# Altium PCB hand_main_board_v2.PcbDoc (part 2 of 4)
Units mil, origin at the board's own origin, x right, y up, seen from the top; angles counter-clockwise.
Board outline 2790.09 x 2362.2 mil, 6 copper layers (Top Layer, GND02, 03, 04, PWR05, Bottom Layer), stack 32.112 mil thick; 213 components, 153 nets, 785 pads, 872 vias.
Unrouted connection lines stored in the file: 240.
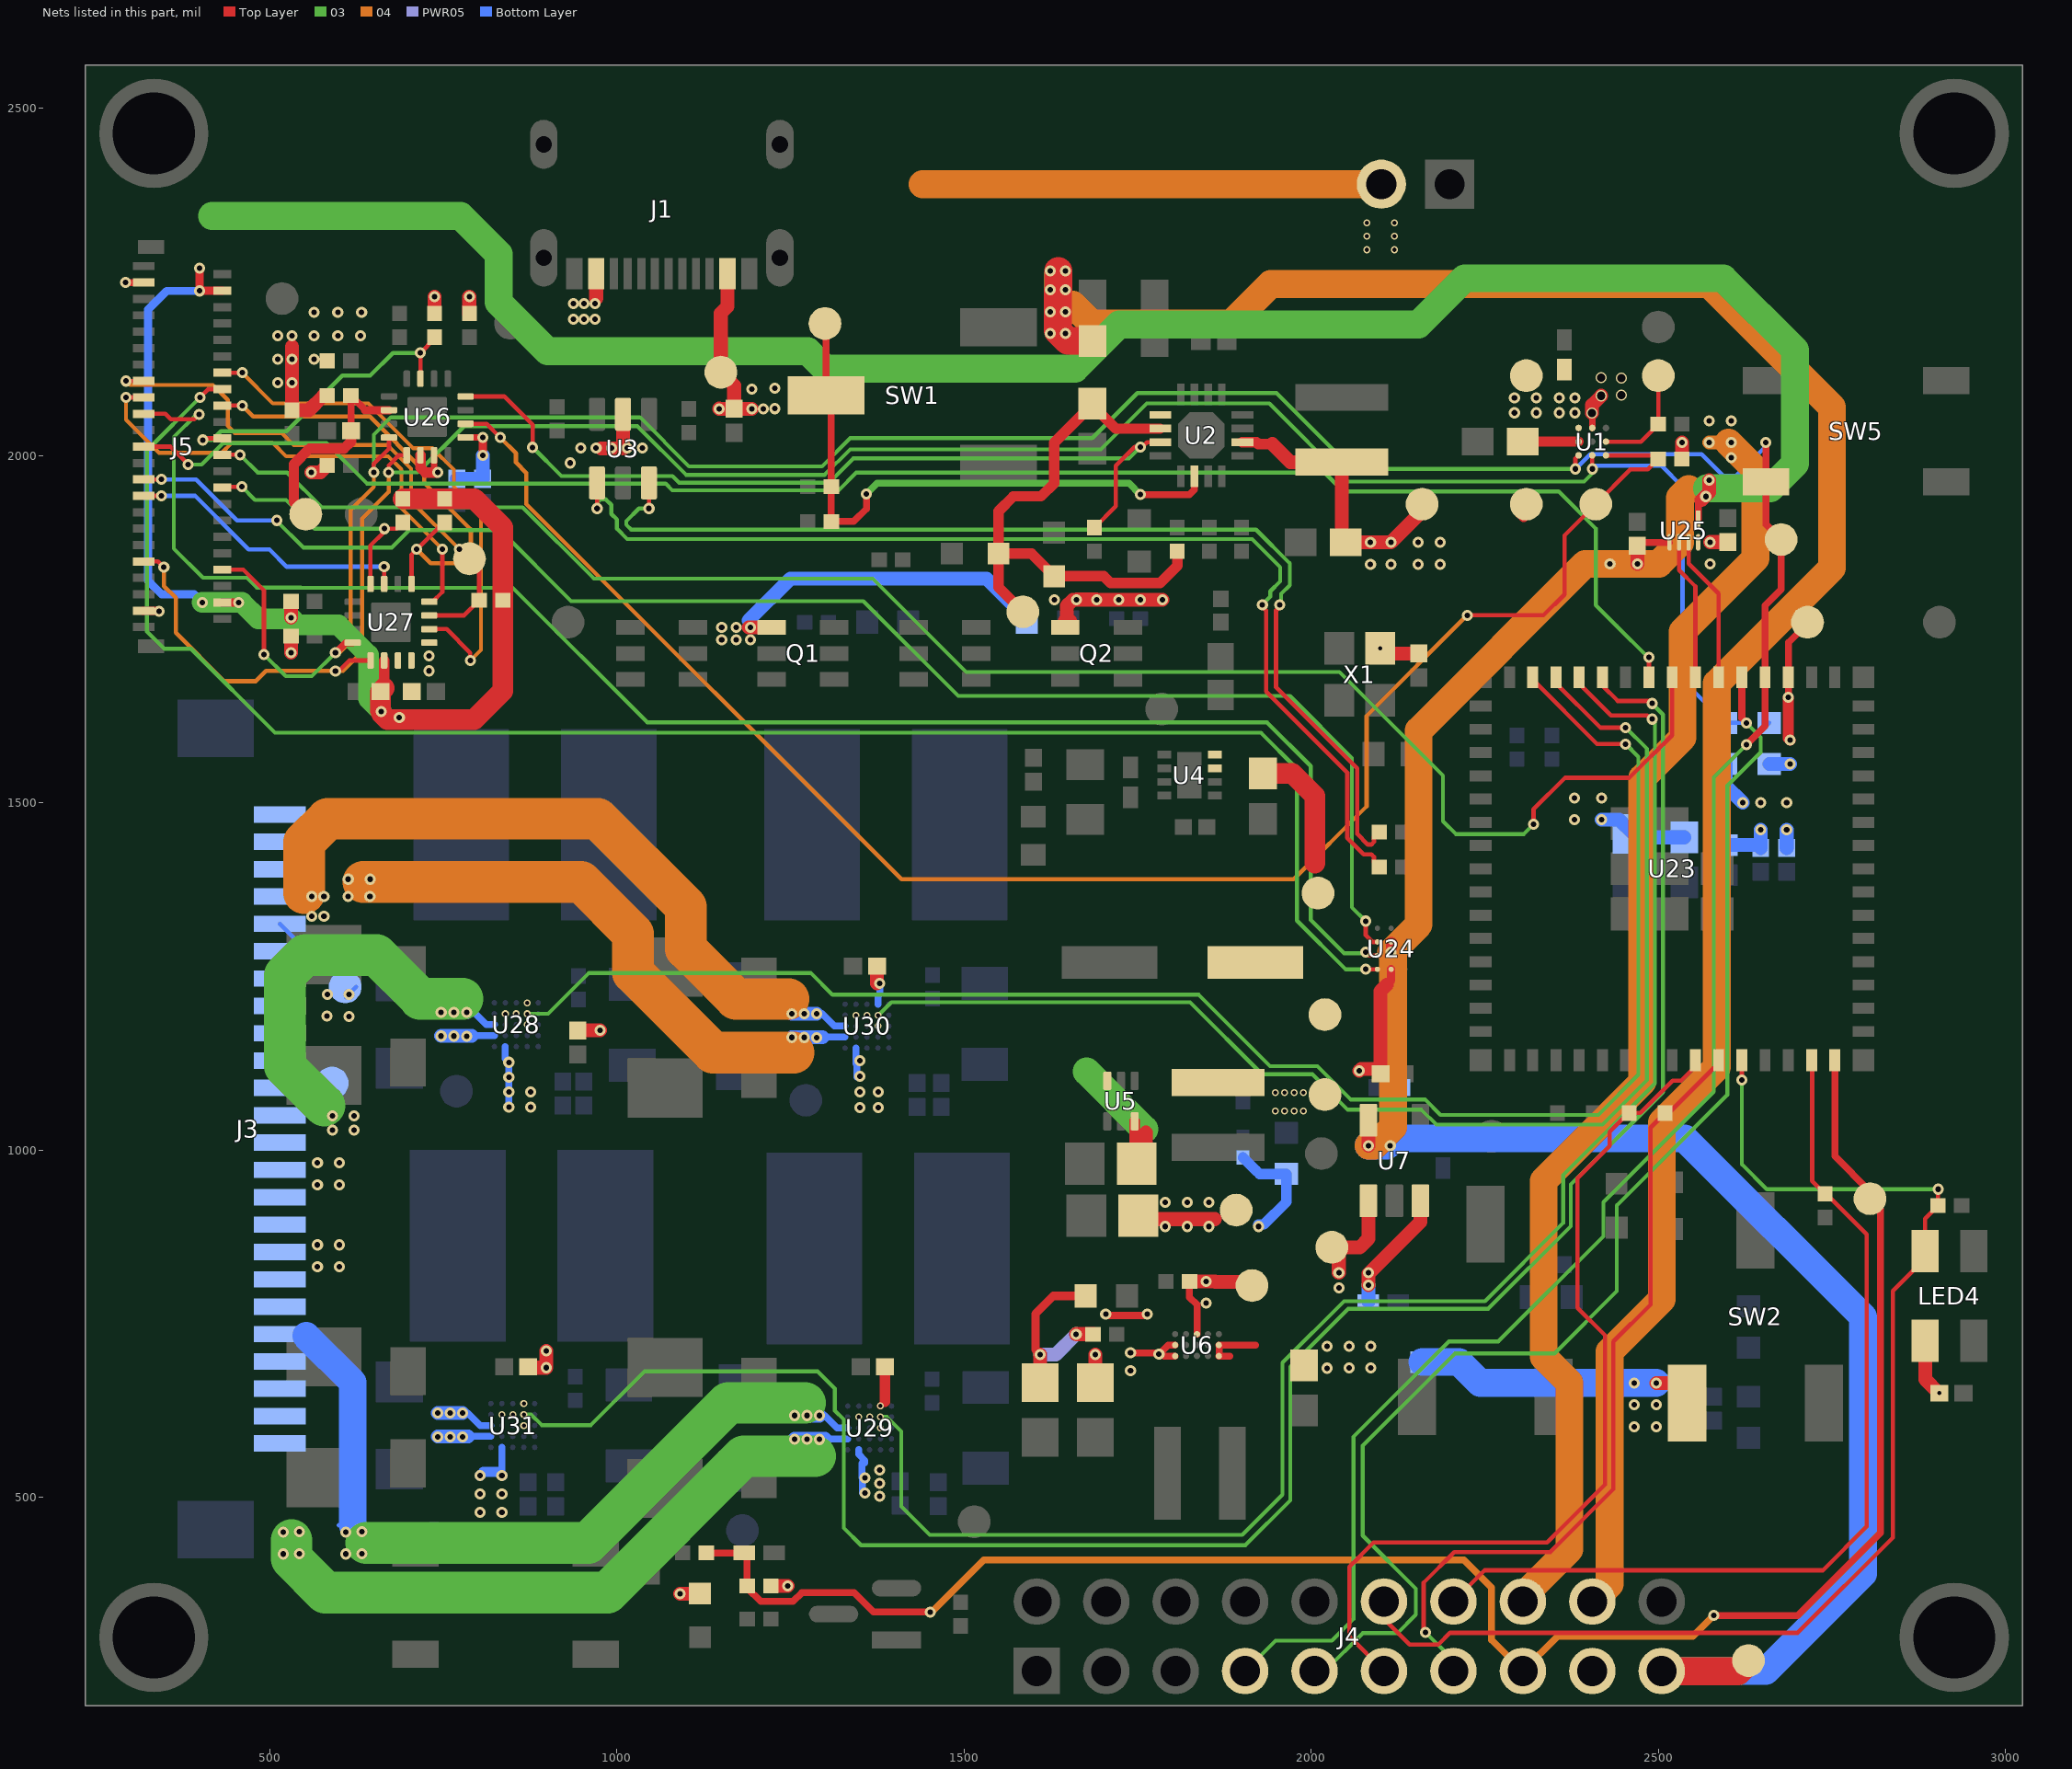
[diagram p6: the nets of this part, all layers, seen from the top]

## Part data (continued)
R10 R12 R27: library part 0402WGF1501TCE, "Resistor, Res Thick Film 0402 1.5K Ohm 1% 0.063W(1/16W) ±100ppm/°C Pad SMD T/R", JLCPCB Part Class=基础库, LCSC Part Name="1.5kΩ ±1% 62.5mW 厚膜电阻", Manufacturer=UNI-ROYAL(厚声), Operating Temperature Range=-55℃~+155℃, Overload Voltage (Max)=50V, Power(Watts)=62.5mW, Temperature Coefficient=±100ppm/℃, Tolerance=±1%, Add into BOM=yes, Convert to PCB=yes, Datasheet=https://atta.szlcsc.com/upload/public/pdf/source/20200306/C422600_1E6D84923E4A46A82E41ADD87F860B5C.pdf, Device=0402WGF1501TCE, Manufacturer Part=0402WGF1501TCE, Name=1.5kΩ, Supplier=LCSC, Supplier Footprint=0402, Supplier Part=C25867, Symbol=0402WGF1501TCE, Type=厚膜电阻
R11 R15 R16 R23 R24 R50 R51 R54 R57 R60 R61: library part 0402WGF1003TCE, "Resistor, Res Thick Film 0402 100K Ohm 1% 0.063W(1/16W) ±100ppm/°C Pad SMD T/R", JLCPCB Part Class="Basic Part", LCSC Part Name="100kΩ ±1% 62.5mW 厚膜电阻", Manufacturer=UNI-ROYAL(厚声), Operating Temperature Range=-55℃~+155℃, Overload Voltage (Max)=50V, Power(Watts)=62.5mW, Temperature Coefficient=±100ppm/℃, Tolerance=±1%, Add into BOM=yes, Convert to PCB=yes, Datasheet=https://atta.szlcsc.com/upload/public/pdf/source/20200306/C422600_1E6D84923E4A46A82E41ADD87F860B5C.pdf, Device=0402WGF1003TCE, Manufacturer Part=0402WGF1003TCE, Name=100kΩ, Supplier=LCSC, Supplier Footprint=0402, Supplier Part=C25741, Symbol=0402WGF1003TCE, Type=厚膜电阻
R13 R14: library part 0603WAF1000T5E, "Resistor, Res Thick Film 0603 100 Ohm 1% 0.1W(1/10W) ±200ppm/°C Pad SMD T/R", JLCPCB Part Class=基础库, LCSC Part Name="100Ω ±1% 100mW 厚膜电阻", Manufacturer=UNI-ROYAL(厚声), Operating Temperature Range=-55℃~+155℃, Overload Voltage (Max)=75V, Power(Watts)=100mW, Temperature Coefficient=±200ppm/℃, Tolerance=±1%, Add into BOM=yes, Convert to PCB=yes, Datasheet=https://atta.szlcsc.com/upload/public/pdf/source/20200306/C422600_1E6D84923E4A46A82E41ADD87F860B5C.pdf, Device=0603WAF1000T5E, Manufacturer Part=0603WAF1000T5E, Name=100Ω, Supplier=LCSC, Supplier Footprint=0603, Supplier Part=C22775, Symbol=0603WAF1000T5E, Type=厚膜电阻
R17: library part 0805W8F100KT5E, "Resistor, Thick Film 0805 1 Ohm 1% 0.125W(1/8W) ±400ppm/°C Pad SMD T/R, working temperature range -55°C ~ +155°C, maximum operating voltage 150V.", JLCPCB Part Class=基础库, LCSC Part Name="1Ω ±1% 125mW 厚膜电阻", Manufacturer=UNI-ROYAL(厚声), Operating Temperature Range=-55℃~+155℃, Overload Voltage (Max)=150V, Power(Watts)=125mW, Temperature Coefficient=±400ppm/℃, Tolerance=±1%, Add into BOM=yes, Convert to PCB=yes, Datasheet=https://atta.szlcsc.com/upload/public/pdf/source/20200306/C422600_1E6D84923E4A46A82E41ADD87F860B5C.pdf, Device=0805W8F100KT5E, Manufacturer Part=0805W8F100KT5E, Name=1Ω, Supplier=LCSC, Supplier Footprint=0805, Supplier Part=C25271, Symbol=0805W8F100KT5E, Type=厚膜电阻
R18 R19: library part 0603WAF7502T5E, "Resistor, Res Thick Film 0603 75k Ohm 1% 0.1W(1/10W) ±100ppm/°C Pad SMD T/R", JLCPCB Part Class="Basic Part", LCSC Part Name="75kΩ ±1% 100mW 厚膜电阻", Manufacturer=UNI-ROYAL(厚声), Operating Temperature Range=-55℃~+155℃, Overload Voltage (Max)=75V, Power(Watts)=100mW, Temperature Coefficient=±100ppm/℃, Tolerance=±1%, Add into BOM=yes, Convert to PCB=yes, Datasheet=https://atta.szlcsc.com/upload/public/pdf/source/20200306/C422600_1E6D84923E4A46A82E41ADD87F860B5C.pdf, Device=0603WAF7502T5E, Manufacturer Part=0603WAF7502T5E, Name=75kΩ, Supplier=LCSC, Supplier Footprint=0603, Supplier Part=C23242, Symbol=0603WAF7502T5E, Type=厚膜电阻
R20 R21: library part 0603WAF4992T5E, "Resistor, Res Thick Film 0603 49.9k Ohm 1% 0.1W(1/10W) ±100ppm/°C Pad SMD T/R", JLCPCB Part Class="Basic Part", LCSC Part Name="49.9kΩ ±1% 100mW 厚膜电阻", Manufacturer=UNI-ROYAL(厚声), Operating Temperature Range=-55℃~+155℃, Overload Voltage (Max)=75V, Power(Watts)=100mW, Temperature Coefficient=±100ppm/℃, Tolerance=±1%, Add into BOM=yes, Convert to PCB=yes, Datasheet=https://atta.szlcsc.com/upload/public/pdf/source/20200306/C422600_1E6D84923E4A46A82E41ADD87F860B5C.pdf, Device=0603WAF4992T5E, Manufacturer Part=0603WAF4992T5E, Name=49.9kΩ, Supplier=LCSC, Supplier Footprint=0603, Supplier Part=C23184, Symbol=0603WAF4992T5E, Type=厚膜电阻
R22: library part RC0603FR-07732KL, "RES SMD 732K OHM 1% 1/10W 0603", JLCPCB Part Class=扩展库, LCSC Part Name="厚膜电阻 732kΩ ±1% 100mW", Manufacturer=YAGEO(国巨), Operating Temperature Range=-55℃~+155℃, Overload Voltage (Max)=75V, Power(Watts)=100mW, Temperature Coefficient=±100ppm/℃, Tolerance=±1%, Add into BOM=yes, Convert to PCB=yes, Datasheet=https://atta.szlcsc.com/upload/public/pdf/source/20181031/C326976_E9901E35333D136A19B6CE377E889A82.pdf, Device=RC0603FR-07732KL, Manufacturer Part=RC0603FR-07732KL, Name=732kΩ, Supplier=LCSC, Supplier Footprint=0603, Supplier Part=C246003, Symbol=RC0603FR-07732KL, Type=厚膜电阻
R25: library part RC0603FR-07511KL, "Resistor, Res Thick Film 0402 511k Ohm 1% 0.1W(1/10W) ±100ppm/°C Pad SMD T/R", JLCPCB Part Class=扩展库, LCSC Part Name="厚膜电阻 511kΩ ±1% 100mW", Manufacturer=YAGEO(国巨), Operating Temperature Range=-55℃~+155℃, Overload Voltage (Max)=75V, Power(Watts)=100mW, Temperature Coefficient=±100ppm/℃, Tolerance=±1%, Add into BOM=yes, Convert to PCB=yes, Datasheet=https://atta.szlcsc.com/upload/public/pdf/source/20180316/70C0E2BDAE7FCC62C531A5A58D202EE1.pdf, Device=RC0603FR-07511KL, Manufacturer Part=RC0603FR-07511KL, Name=511kΩ, Supplier=LCSC, Supplier Footprint=0603, Supplier Part=C188257, Symbol=RC0603FR-07511KL, Type=厚膜电阻
R26: library part AC0402FR-0791KL, "SMD Chip Resistor, 91 kOhm, ± 1%, 63 mW, 0402 [1005 Metric], Thick Film, General Purpose", JLCPCB Part Class="Extended Part", LCSC Part Name="厚膜电阻 91kΩ ±1% 62.5mW", Manufacturer=YAGEO(国巨), Operating Temperature Range=-55℃~+155℃, Overload Voltage (Max)=50V, Power(Watts)=62.5mW, Temperature Coefficient=±100ppm/℃, Tolerance=±1%, Add into BOM=yes, Convert to PCB=yes, Datasheet=https://atta.szlcsc.com/upload/public/pdf/source/20180927/C229861_4ABDC471507C1ED6AFB4BA66AFC8620A.pdf, Device=AC0402FR-0791KL, Manufacturer Part=AC0402FR-0791KL, Name=91kΩ, Supplier=LCSC, Supplier Footprint=0402, Supplier Part=C144733, Symbol=AC0402FR-0791KL, Type=厚膜电阻
R28 R34 R35: library part 0402WGF1001TCE, "Resistor, Res Thick Film 0402 1K Ohm 1% 0.063W(1/16W) ±100ppm/°C Pad SMD T/R", JLCPCB Part Class=基础库, LCSC Part Name="1kΩ ±1% 62.5mW 厚膜电阻", Manufacturer=UNI-ROYAL(厚声), Operating Temperature Range=-55℃~+155℃, Overload Voltage (Max)=50V, Power(Watts)=62.5mW, Temperature Coefficient=±100ppm/℃, Tolerance=±1%, Add into BOM=yes, Convert to PCB=yes, Datasheet=https://atta.szlcsc.com/upload/public/pdf/source/20200306/C422600_1E6D84923E4A46A82E41ADD87F860B5C.pdf, Device=0402WGF1001TCE, Manufacturer Part=0402WGF1001TCE, Name=1kΩ, Resistance=1kΩ, Supplier=LCSC, Supplier Footprint=0402, Supplier Part=C11702, Symbol=0402WGF1001TCE, Type=厚膜电阻
R36 R41 R46 R47 R62 R63 R66 R67: library part 0402WGF220JTCE, "Resistor, Res Thick Film 0402 22 Ohm 1% 0.063W(1/16W) ±200ppm/°C Pad SMD T/R", JLCPCB Part Class="Basic Part", LCSC Part Name="22Ω ±1% 62.5mW 厚膜电阻", Manufacturer=UNI-ROYAL(厚声), Operating Temperature Range=-55℃~+155℃, Overload Voltage (Max)=50V, Power(Watts)=62.5mW, Temperature Coefficient=±100ppm/℃, Tolerance=±1%, Add into BOM=yes, Convert to PCB=yes, Datasheet=https://atta.szlcsc.com/upload/public/pdf/source/20200306/C422600_1E6D84923E4A46A82E41ADD87F860B5C.pdf, Device=0402WGF220JTCE, Manufacturer Part=0402WGF220JTCE, Name=22Ω, Supplier=LCSC, Supplier Footprint=0402, Supplier Part=C25092, Symbol=0402WGF220JTCE, Type=厚膜电阻
R37 R38: library part 0402WGF4702TCE, "Resistor, Res Thick Film 0402 47K Ohm 1% 0.063W(1/16W) ±100ppm/°C Pad SMD T/R", JLCPCB Part Class=基础库, LCSC Part Name="47kΩ ±1% 62.5mW 厚膜电阻", Manufacturer=UNI-ROYAL(厚声), Operating Temperature Range=-55℃~+155℃, Overload Voltage (Max)=50V, Power(Watts)=62.5mW, Temperature Coefficient=±100ppm/℃, Tolerance=±1%, Add into BOM=yes, Convert to PCB=yes, Datasheet=https://atta.szlcsc.com/upload/public/pdf/source/20200306/C422600_1E6D84923E4A46A82E41ADD87F860B5C.pdf, Device=0402WGF4702TCE, Manufacturer Part=0402WGF4702TCE, Name=47kΩ, Supplier=LCSC, Supplier Footprint=0402, Supplier Part=C25792, Symbol=0402WGF4702TCE, Type=厚膜电阻
R39 R42: library part 0603WAF3601T5E, "Resistor, Res Thick Film 0603 3.6K Ohm 1% 0.1W ±100ppm/°C Pad SMD T/R", JLCPCB Part Class="Basic Part", LCSC Part Name="3.6kΩ ±1% 100mW 厚膜电阻", Manufacturer=UNI-ROYAL(厚声), Operating Temperature Range=-55℃~+155℃, Overload Voltage (Max)=75V, Power(Watts)=100mW, Temperature Coefficient=±100ppm/℃, Tolerance=±1%, Add into BOM=yes, Convert to PCB=yes, Datasheet=https://atta.szlcsc.com/upload/public/pdf/source/20200306/C422600_1E6D84923E4A46A82E41ADD87F860B5C.pdf, Device=0603WAF3601T5E, Manufacturer Part=0603WAF3601T5E, Name=3.6kΩ, Supplier=LCSC, Supplier Footprint=0603, Supplier Part=C22980, Symbol=0603WAF3601T5E, Type=厚膜电阻
R40 R44 R45: library part 0402WGF0000TCE, "Resistor, Res Thick Film 0402 0 Ohm 1% 0.063W(1/16W) ±800ppm/°C Pad SMD T/R", JLCPCB Part Class=基础库, LCSC Part Name="0Ω ±1% 62.5mW 厚膜电阻", Manufacturer=UNI-ROYAL(厚声), Operating Temperature Range=-55℃~+155℃, Overload Voltage (Max)=50V, Power(Watts)=62.5mW, Temperature Coefficient=±800ppm/℃, Tolerance=±1%, Add into BOM=yes, Convert to PCB=yes, Datasheet=https://atta.szlcsc.com/upload/public/pdf/source/20200306/C422600_1E6D84923E4A46A82E41ADD87F860B5C.pdf, Device=0402WGF0000TCE, Manufacturer Part=0402WGF0000TCE, Name=0Ω, Supplier=LCSC, Supplier Footprint=0402, Supplier Part=C17168, Symbol=0402WGF0000TCE, Type=厚膜电阻
R64 R65 R68 R69: library part HoYH1206-1W-200mR-1%, "Resistance: 0.2Ω Power: 1W, Mounting Type: Surface Mount, Resistor Type: Shunt Resistor, Precision: ±1%,.", JLCPCB Part Class=扩展库, LCSC Part Name="200mΩ ±1% 1W", Manufacturer=Milliohm(毫欧), Power(Watts)=1W, Tolerance=±1%, Add into BOM=yes, Convert to PCB=yes, Datasheet=https://atta.szlcsc.com/upload/public/pdf/source/20211116/A510C0D8A660B2C11D153FDB54B68FB7.pdf, Device=HoYH1206-1W-200mR-1%, Manufacturer Part=HoYH1206-1W-200mR-1%, Mounting Sytle=贴片, Name=200mΩ, Supplier=LCSC, Supplier Footprint=1206, Supplier Part=C2932839, Symbol=HOYH1206-1W-200MR-1%, Type=采样电阻
SW1 SW2 SW3: "Slide Switch, Surface Mount, Operating Temperature: -30°C to +80°C, Switch Width: 3.6mm, Switch Length: 9.1mm, Switch Color: -, Switch Height: 3.45mm, Pin Style: SMD Tab, Mechanical Life: 10,000 cycles, Actuator Shape: -, Circuit Configuration: Single Pole Double Throw, Rated Voltage (AC): -, Rated Voltage (DC): 12V, Rated Current (AC): -, Rated Current (DC): 50mA.", Actuator Color=-, Current Rating (DC)=50mA, JLCPCB Part Class=扩展库, LCSC Part Name="拨动开关 2档3脚立式贴片 柄高2MM 9.1*3.5*2.0mm", Manufacturer="SHOU HAN(首韩)", Operating Temperature=-30℃~+80℃, Voltage Rating (DC)=12V, Actuator Style=-, Add into BOM=yes, Circuit=单刀双掷, Convert to PCB=yes, Current Rating (AC)=-, Device="MST-22D18G2 3J", Manufacturer Part="MST-22D18G2 3J", Mechanical Life=1万次, Mounting Style=立贴, Name="MST-22D18G2 3J", Pin Style=SMD接片, Supplier=LCSC, Supplier Footprint=SMD, Supplier Part=C2875122, Switch Height=3.45mm, Switch Length=9.1mm, Switch Width=3.6mm, Symbol="MST-22D18G2 3J_C2875122", Voltage Rating (AC)=-
SW4: "Touch Button", Actuator/Cap Color=金色, Contact Current=50mA, Insulation Resistance=-, JLCPCB Part Class=基础库, LCSC Part Name="5.1*5.1*1.5mm 立贴 轻触开关", Manufacturer="XKB Connectivity(中国星坤)", Operating Force=160gf, Operating Temperature=-30℃~+85℃, Voltage Rating (DC)=12V, Actuator Style=圆形按钮, Add into BOM=yes, Circuit=单刀单掷, Convert to PCB=yes, Datasheet=https://atta.szlcsc.com/upload/public/pdf/source/20200227/C318890_053E50208A88A7BA1965D8746000774E.pdf, Device=TS-1187A-B-A-B, Manufacturer Part=TS-1187A-B-A-B, Mechanical Life=10万次, Mounting Style=立贴, Name=TS-1187A-B-A-B, Strike Gundam=不带, Supplier=LCSC, Supplier Footprint=SMD, Supplier Part=C318884, Switch Height=1.5mm, Switch Length=5.1mm, Switch Width=5.1mm, Symbol=TS-1187A-B-A-B, With Lamp=无
SW5: "Touch Button, Boot", Actuator/Cap Color=金色, Contact Current=50mA, Insulation Resistance=-, JLCPCB Part Class=基础库, LCSC Part Name="5.1*5.1*1.5mm 立贴 轻触开关", Manufacturer="XKB Connectivity(中国星坤)", Operating Force=160gf, Operating Temperature=-30℃~+85℃, Voltage Rating (DC)=12V, Actuator Style=圆形按钮, Add into BOM=yes, Circuit=单刀单掷, Convert to PCB=yes, Datasheet=https://atta.szlcsc.com/upload/public/pdf/source/20200227/C318890_053E50208A88A7BA1965D8746000774E.pdf, Device=TS-1187A-B-A-B, Manufacturer Part=TS-1187A-B-A-B, Mechanical Life=10万次, Mounting Style=立贴, Name=TS-1187A-B-A-B, Strike Gundam=不带, Supplier=LCSC, Supplier Footprint=SMD, Supplier Part=C318884, Switch Height=1.5mm, Switch Length=5.1mm, Switch Width=5.1mm, Symbol=TS-1187A-B-A-B, With Lamp=无
TP1 TP2 TP3 TP4 TP5 TP6 TP7 TP8 TP9 TP10 TP11 TP12 TP13 TP14 TP15 TP16 TP17 TP18 TP19 TP20 TP25 TP26 TP27 TP28 TP29 TP30 TP31 TP32 TP33 TP34 TP35 TP36 TP37 TP41 TP42 TP43: library part Test_Point
U1: "Single-cell battery fuel gauge with pre-programmed chemistry and integrated sense resistor 9-DSBGA -40 to 85", JLCPCB Part Class=扩展库, Manufacturer=TI(德州仪器), Add into BOM=yes, Convert to PCB=yes, Datasheet=https://atta.szlcsc.com/upload/public/pdf/source/20230606/EC4A78E98B698DBC5F6AAC887FB11355.pdf, Device=BQ27427YZFR, LCSC Part Name=BQ27427YZFR, Manufacturer Part=BQ27427YZFR, Name=BQ27427YZFR, Number of Cells=1, Supplier=LCSC, Supplier Footprint=DSBGA-9, Supplier Part=C6075475, Symbol=BQ27427YZFR, Type of Battery=锂离子/聚合物
U2: "Standalone single cell 2.0-A buck battery charger 16-WQFN -40 to 85", JLCPCB Part Class=扩展库, Manufacturer=TI(德州仪器), Maximum Charge Current=2A, Operating Temperature=-40℃~+85℃, Supply Voltage=6.2V, Add into BOM=yes, Convert to PCB=yes, Datasheet=https://www.ti.com/cn/lit/gpn/bq25302, Device=BQ25302RTER, LCSC Part Name=BQ25302RTER, Manufacturer Part=BQ25302RTER, Name=BQ25302RTER, Number of Cells=1, Supplier=LCSC, Supplier Footprint=WQFN-16-EP(3x3), Supplier Part=C2761617, Symbol=BQ25302RTER, Type of Battery=锂离子/聚合物
U3: "17V Clamp 5A (8/20Âµs) Ipp Tvs Diode Surface Mount SOT-23-6", Package="SOT-23-6 STMicroelectronics", Availability="In Stock", Check_prices=https://www.snapeda.com/parts/USBLC6-2SC6/STMicroelectronics/view-part/?ref=eda, MF=STMicroelectronics, MP=USBLC6-2SC6, Price=None, Purchase-URL=https://pricing.snapeda.com/search/part/USBLC6-2SC6/?ref=eda, SnapEDA_Link=https://www.snapeda.com/parts/USBLC6-2SC6/STMicroelectronics/view-part/?ref=snap
U4: "Tape & Reel (TR) TPS22965 e4 On/Off power distribution switch 2mm 2.5V 2.2ms 6A", JLCPCB Part Class=扩展库, Manufacturer=TI(德州仪器), Add into BOM=yes, Convert to PCB=yes, Datasheet=https://www.ti.com/cn/lit/gpn/tps22965, Device=TPS22965DSGR, LCSC Part Name=TPS22965DSGR, Manufacturer Part=TPS22965DSGR, Name=TPS22965DSGR, Supplier=LCSC, Supplier Footprint=UDFN-8-EP(2x2), Supplier Part=C122837, Symbol=TPS22965DSGR
U5: "3.7-A boost converter with 0.5-V ultra-low input voltage 6-SOT-5X3 -40 to 125"
U6: "Low IQ Buck-Boost Converter with Small Solution Size 2A 1.3V to 5.5V 15-Pin DSBGA"
U7: "300-mA, high-PSRR, low-IQ, low-dropout voltage regulator with enable 5-SOT-23 -40 to 125", Case/Package=SOT-23-5, Dropout Voltage=260mV, Max Input Voltage=5.5V, Max Operating Temperature=125°C, Max Output Current=300mA, Max Output Voltage=1.8V, Max Power Dissipation=500mW, Min Current Limit=320mA, Min Input Voltage=2V, Min Operating Temperature=-40°C, Output Voltage Accuracy=0.5%, Package Quantity=3000, Quiescent Current=30uA, Accuracy=2%, Contact Plating=Gold, Lead Free="Lead Free", Min Output Voltage=1.8V, Nominal Output Voltage=1.8V, Number of Outputs=1, Number of Pins=5, Number of Regulators=1, Output Current=300mA, Output Type=Fixed, Output Voltage=1.8V, Packaging="Tape and Reel", polarity=Positive, Power Dissipation=500mW, Radiation Hardening=No, REACH SVHC="No SVHC", RoHS Compliant=Yes, Series=-
U23: "Bluetooth, WiFi 802.11b/g/n, Bluetooth v5.0 Transceiver Module 2.4GHz PCB Trace Surface Mount", Package=None, Availability="In Stock", Check_prices=https://www.snapeda.com/parts/ESP32-S3-MINI-1-N8/Espressif+Systems/view-part/?ref=eda, MF="Espressif Systems", MP=ESP32-S3-MINI-1-N8, Price=None, Purchase-URL=https://pricing.snapeda.com/search?q=ESP32-S3-MINI-1-N8&ref=eda, SnapEDA_Link=https://www.snapeda.com/parts/ESP32-S3-MINI-1-N8/Espressif+Systems/view-part/?ref=snap
U24: "I2C Level Shifter 4 channel, IC TRNSLTR BIDIRECTIONAL 12DSBGA", Case/Package=BGA, High Level Output Current=-20uA, Low Level Output Current=20uA, Max Operating Temperature=85°C, Max Supply Voltage=5.5V, Min Operating Temperature=-40°C, Min Supply Voltage=1.2V, Package Quantity=1, Quiescent Current=3.5uA, Contact Plating=Copper, Data Rate=100Mbps, Lead Free="Lead Free", Logic Function=Translator, Mount="Surface Mount", Number of Bits=4, Number of Channels=4, Number of Pins=12, Output Type=3-STATE, Packaging="Tape and Reel", Propagation Delay=31ns, Radiation Hardening=No, REACH SVHC="No SVHC", RoHS Compliant=Yes, Series=-, Turn-On Delay Time=7.4ns
U25: "2-Bit Bidirectional Voltage-Level Shifter for Open-Drain and Push-Pull Application 8-X2SON -40 to 85", Ambient Temperature Range High=+85°C, Ambient Temperature Range Low=-40°C, Manufacturer="Texas Instruments", Max Junction Temp=+150°C, Max Supply Voltage=5.5V, Min Supply Voltage=1.65V, Nominal Supply Current=14.4uA, Package=DQE0008A, Temperature="-40°C to +85°C", Automotive=No, Category=IC, ComponentLink2Description=Datasheet, ComponentLink2URL=http://www.ti.com/lit/ds/symlink/txs0102.pdf, Data Rate=24Mbits/s, Device Class L1="Integrated Circuits (ICs)", Device Class L2="Logic ICs", Device Class L3="Voltage Level Shifters", Digikey Description="IC TRNSLTR BIDIRECTIONAL 8X2SON", HEIGHT=0.4mm, Ipc Land Pattern Name=DFN140X100X37-8, Lead Free=Yes, Logic Function Desc=Non-Inverting, Manufacturer Part Number=TXS0102DQER, Mouser Description="Translation - Voltage Levels 2B Bidirec Vltg-Lev Translator", Number Of Circuits=1, Number Of Inputs=2, Number of Outputs=2, Octopart=https://octopart.com/txs0102dqer-texas+instruments-19973770, Propagation Delay=28ns, RoHS=TRUE, Standoff Height=0mm, Temperature Range High=+85°C, Temperature Range Low=-40°C, V A Max=3.6V, V A Min=1.25V, V B Max=5.5V, V B Min=2.3V
U26 U27: "Low-Voltage 8-Bit I2C and SMBus I/O Expander, 1.65 to 5.5 V, -40 to 85 degC, 16-pin QFN (RGT), Green (RoHS & no Sb/Br)", 5V Tolerant I/O=Yes, Manufacturer="Texas Instruments", Max Frequency(kHz)=400, # of I/Os=8, Code_JEDEC=MO-220, ComponentLink1Description=Datasheet, ComponentLink1URL=http://www.ti.com/general/docs/lit/getliterature.tsp?genericPartNumber=TCA6408A&fileType=pdf, ComponentLink2Description="Package Specification", ComponentLink2URL=http://www.ti.com/litv/pdf/mpds361, Configuration Registers=Yes, DatasheetVersion=SCPS192C, Eco-Plan="Green (RoHS & no Sb/Br)", fSCLK(Max)(MHz)=400, I2C Address="0100 00x", Interrupt Output=Yes, Low Power=Yes, Mounting Technology="Surface Mount", No. of Outputs=8, PackageDescription="16-Pin Plastic Quad Flat No-Lead, 3 x 3 mm Body, 0.5 mm Pitch, 1.45 x 1.45 mm Exposed Pad", PackageReference=RGT0016A, PackageVersion="revH, Oct-2011", PartNumber=TCA6408ARGTR, Push-Pull I/O Type=Yes, Reset Input=Yes, SubFamily="I2C IO Expander", Vcc range(V)="1.65 to 5.5", VCC(Max)(V)=5.5, VCC(Min)(V)=1.65
U28 U29 U30 U31: "The BOS1901 piezo actuator driver, powered by Boréas' CapDrive™ technology, delivers up to 190 Vpk-pk waveforms with minimal power from a 3 to 5.5 V source, featuring a high-speed SPI for efficient multi-actuator integration. It requires only seven passive components for a streamlined BOM, supports a Unidirectional Power Input to enhance system efficiency, and ensures rapid start-up and fault protection for reliable operation."
X1: library part OK252032.768KJBA4SL, "Active Crystal Oscillator, Supply current: 5mA, Operating temperature: -40°C to +85°C, Operating voltage: 1.8V to 3.3V, Frequency: 32.768kHz, Frequency stability (full temp): ±20ppm", Frequency Stability(Full temperature range)=±20ppm, JLCPCB Part Class=扩展库, LCSC Part Name="32.768kHz ±10ppm 1.8V~3.3V YSO120TK", Manufacturer=YXC(扬兴晶振), Operating Temperature=-40℃~+85℃, Supply Current (Max)=5mA, Supply Voltage=1.8V~3.3V, Add into BOM=yes, Convert to PCB=yes, Datasheet=https://atta.szlcsc.com/upload/public/pdf/source/20210329/C669097_715D097E9D19B4E01936AF746F4B6B69.pdf, Device=OK252032.768KJBA4SL, Manufacturer Part=OK252032.768KJBA4SL, Name=32.768kHz, Supplier=LCSC, Supplier Footprint=SMD2520-4P, Supplier Part=C669098, Symbol=OK252032.768KJBA4SL

## Free pads (board coordinates)
  round 157.48 hole 118.11: 3(333.43,298.43) 3(333.43,2463.75) 3(2926.34,298.43) 3(2926.34,2463.78)
